# Altium PCB PCB1.PcbDoc (part 1 of 2) (continued)
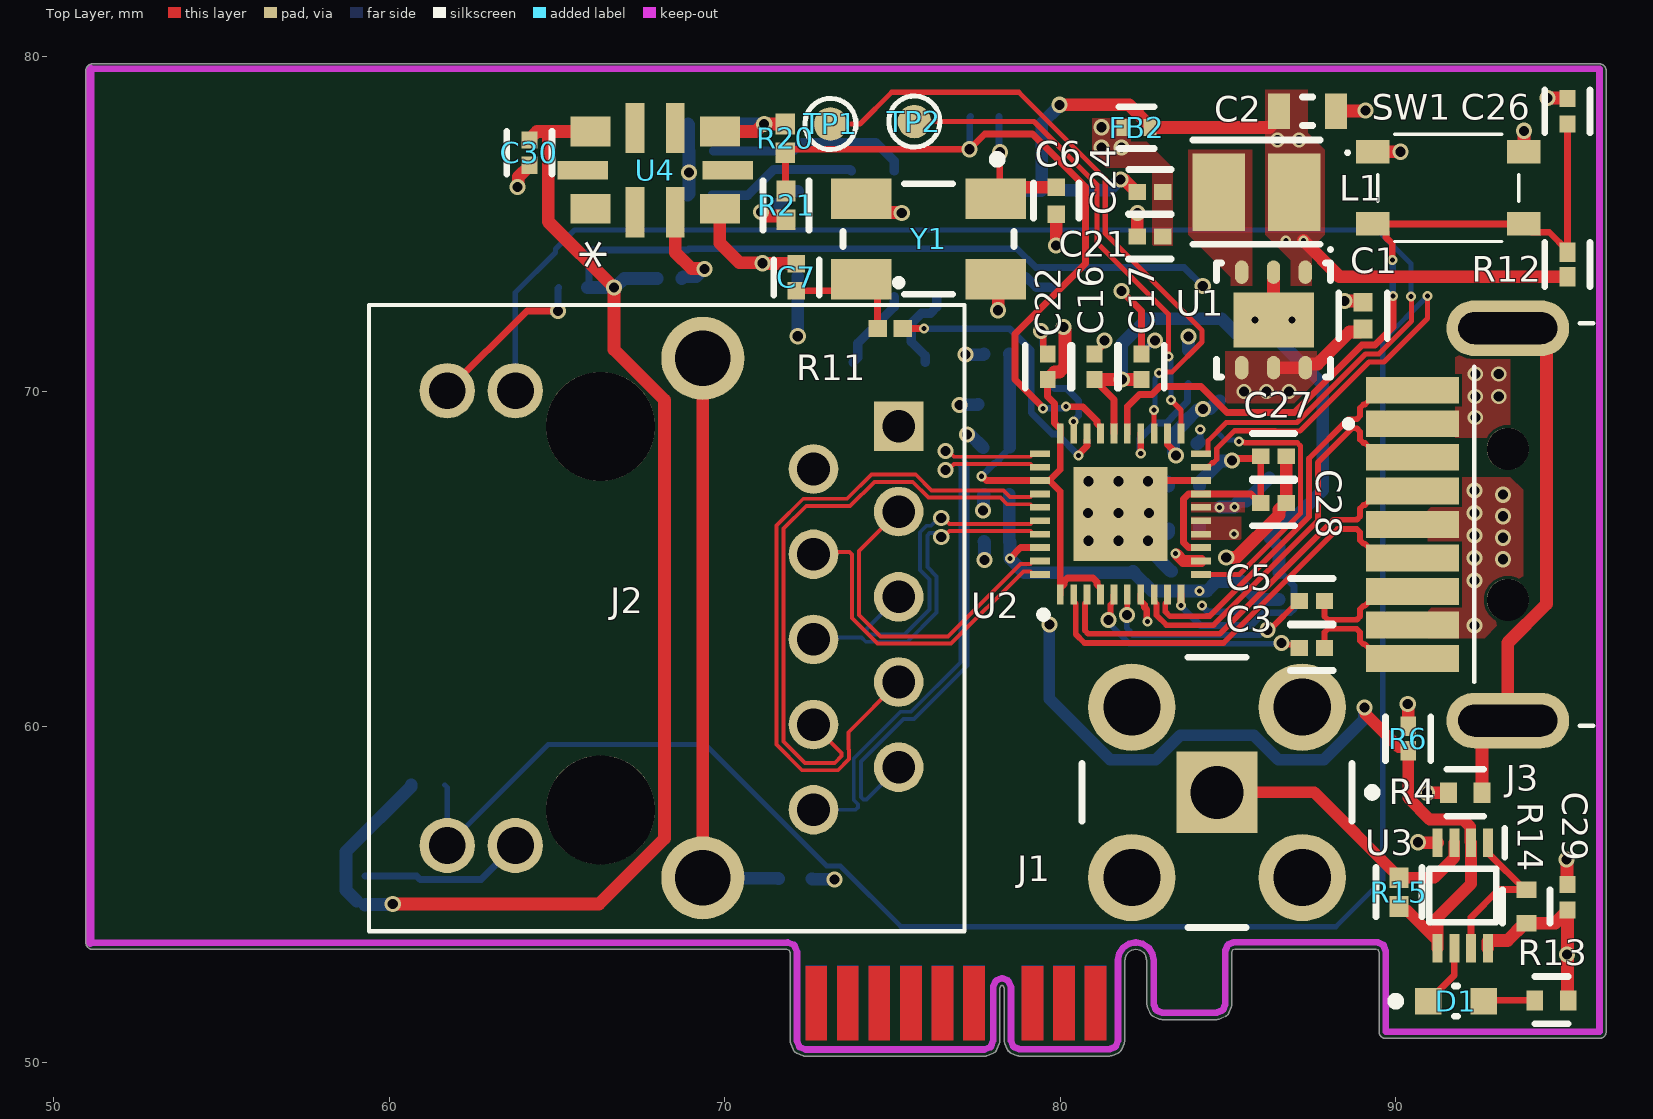
[diagram p0: Top Layer view]
## Part data (continued)
C3 C4 C5 C9 C11 C12 C13 C14 C15 C16 C17 C20 C21 C22 C23 C24 C25 C26 C27 C28 C29 C30: library part CMP-13271-002758-1, "Cap Ceramic 100nF 10V X7R ±10% SMD 0402 +125°C Paper T/R", Case Code (Imperial)=0402, Case Code (Metric)=1005, Dielectric=X7R, Dielectric Material=Ceramic, Manufacturer=KEMET, Manufacturer Part Number=C0402C104K4RAC-TU, Max Operating Temperature=125°C, Min Operating Temperature=-55°C, Package Quantity=50000, Supplier Part Number=399-C0402C104K4RAC7867CT-ND, Tolerance=10%, Voltage=16V, Voltage Rating=10V, Capacitance=100nF, Case/Package=0402, Category="Ceramic Capacitors", Depth=0.5mm, Dissipation Factor=3.5%, Height=0.5mm, Length=1mm, Mount="Surface Mount", Packaging="Tape and Reel", Pins=2, Pricing="1=0.1, 10=0.032, 50=0.0182, 100=0.0141, 500=0.0106, 1000=0.00833, 2500=0.00758, 5000=0.00697 (USD)", Radiation Hardening=No, Reach SVHC Compliant=No, RoHS=Yes, Series=C, Stock=3965396, Supplier=Digikey, Termination=SMD/SMT, Thickness=0.022inch, Voltage Rating (DC)=10V, Width=0.02inch
C6 C7 C31: library part CMP-03020-019954-1, "CAP CER 15PF 100V C0G/NP0 0402", Capacitance="15 pF", Manufacturer=KEMET, Manufacturer Part Number=CBR04C150F1GAC, Package=CBR04C, Temperature="-55°C to +125°C", Temperature Characteristic=C0G, Temperature Coefficient=30ppm/°C, Temperature Range High=+125°C, Temperature Range Low=-55°C, Tolerance=0.01, Voltage Rating="100 V", Automotive=No, Category=Cap, ComponentLink2Description=Datasheet, ComponentLink2URL=https://content.kemet.com/datasheets/KEM_C1030_CBR_SMD.pdf, Device Class L1="Passive Components", Device Class L2=Capacitors, Device Class L3="Ceramic Capacitors", Digikey Description="CAP CER 15PF 100V C0G/NP0 0402", Height=0.55mm, Ipc Land Pattern Name=CAPC10050X50, Lead Free=Yes, Material=Ceramic, Mouser Description="Multilayer Ceramic Capacitors MLCC - SMD/SMT 100volts 15pF C0G 0402 1% Tol RF", Octopart=https://octopart.com/cbr04c150f1gac-kemet-30609229, RoHS=TRUE
C8 C10 C19: library part CMP-13271-000002-1, "CAP CER 10UF 10V X5R 0402", Manufacturer=Samsung, Manufacturer Part Number=CL05A106MP5NUNC, Temperature="-55°C to +85°C", Temperature Characteristic=X5R, Temperature Coefficient=15%, Temperature Range High=+85°C, Temperature Range Low=-55°C, Tolerance=20%, Voltage Rating=10V, Automotive=No, Capacitance=10uF, Category=Cap, ComponentLink2Description=Datasheet, ComponentLink2URL=http://www.samsungsem.com/kr/support/product-search/mlcc/__icsFiles/afieldfile/2019/05/10/19-CL05A106MP5NUNC.pdf, Device Class L1="Passive Components", Device Class L2=Capacitors, Device Class L3="Ceramic Capacitors", Digikey Description="CAP CER 10UF 10V X5R 0402", Height=0.7mm, Ipc Land Pattern Name=CAPC10050X50, Lead Free=Yes, Material=Ceramic, Octopart=https://octopart.com/cl05a106mp5nunc-samsung-22457395, Package=CL05A106MP5NUNC, RoHS=TRUE
D1: library part CMP-44529-000024-1, "LED GREEN CLEAR CHIP SMD", Case Code (Imperial)=0603, Case Code (Metric)=1608, Color=Green, Forward Current=20mA, Forward Voltage=3.3V, Lens Color=Colorless, Manufacturer=Kingbright, Max Operating Temperature=85°C, Min Operating Temperature=-40°C, Package Quantity=1, Supplier Part Number=C5554158, Case/Package=0603, Category=LEDs, ComponentLink1Description=https://datasheet.ciiva.com/16422/apt1608zgck-262051-16422477.pdf?src-supplier=Mouser, ComponentLink1URL=https://datasheet.ciiva.com/16422/apt1608zgck-262051-16422477.pdf?src-supplier=Mouser, ComponentLink2Description=https://datasheet.ciiva.com/26292/apt1608zgck-26292289.pdf?src-supplier=Digikey, ComponentLink2URL=https://datasheet.ciiva.com/26292/apt1608zgck-26292289.pdf?src-supplier=Digikey, ComponentLink3Description=https://datasheet.ciiva.com/29562/apt1608zgck-29562277.pdf?src-supplier=Digikey, ComponentLink3URL=https://datasheet.ciiva.com/29562/apt1608zgck-29562277.pdf?src-supplier=Digikey, Dominant Wavelength=525nm, Height=0.75mm, Illumination Color=Green, Lead Free="Lead Free", Length=1.6mm, Lens Transparency=Clear, Luminous Intensity=350mcd, Manufacturer Part Number=APT1608ZGCK, Mount="Surface Mount", Mounting Technology="Surface Mount", Packaging="Tape and Reel", Pricing="5=0.3043, 50=0.2442, 150=0.2184, 500=0.1863, 2000=0.1719, 4000=0.1633 (USD)", RoHS=Yes, RoHS Compliant=Yes, Series=HELI2, Stock=1770, Supplier=LCSC, Test Current=20mA, Viewing Angle=120°, Width=0.8mm
FB1 FB2: library part CMP-0686-00284-4, "Chip Ferrite Bead, 0402, 80Ω @ 100MHz, 0.07Ω, 25%, 1.5A", Case Code (Imperial)=0402, Case Code (Metric)=1005, Current Rating=1.5A, DC Resistance (DCR)=70mR, Manufacturer=Murata, Max Operating Temperature=125°C, Min Operating Temperature=-55°C, Package Quantity=1, Supplier Part Number=490-5202-1-ND, Test Frequency=100MHz, Tolerance=25%, Case/Package=0402, Category="Ferrite Beads and Chips", ComponentLink1Description=https://datasheet.ciiva.com/41449/001172208-da-01-en-drossel-0402-80r-1-0x0-5mm-10000st-41449497.pdf?src-supplier=Conrad, ComponentLink1URL=https://datasheet.ciiva.com/41449/001172208-da-01-en-drossel-0402-80r-1-0x0-5mm-10000st-41449497.pdf?src-supplier=Conrad, ComponentLink2Description=https://datasheet.ciiva.com/1012/l0110e-1012441.pdf?src-supplier=Digikey, ComponentLink2URL=https://datasheet.ciiva.com/1012/l0110e-1012441.pdf?src-supplier=Digikey, ComponentLink3Description=https://datasheet.ciiva.com/1012/l0110e-1012440.pdf?src-supplier=Digikey, ComponentLink3URL=https://datasheet.ciiva.com/1012/l0110e-1012440.pdf?src-supplier=Digikey, ComponentLink4Description=https://datasheet.ciiva.com/1012/l0110e-1012442.pdf?src-supplier=Digikey, ComponentLink4URL=https://datasheet.ciiva.com/1012/l0110e-1012442.pdf?src-supplier=Digikey, ComponentLink5Description=https://datasheet.ciiva.com/16420/l0110s0100blm15pgblm15pd-16420757.pdf?src-supplier=Future+Electronics, ComponentLink5URL=https://datasheet.ciiva.com/16420/l0110s0100blm15pgblm15pd-16420757.pdf?src-supplier=Future+Electronics, DC Resistance-Max=70mR, Depth=0.5mm, Height=0.5mm, Impedance=80R, Lead Free="Lead Free", Length=1mm, Manufacturer Part Number=BLM15PD800SN1D, Material=Ferrite, Max Current Rating=1.5A, Max DC Current=1.5A, Number of Circuits=1, Number of Lines=1, Number of Pins=2, Packaging="Tape and Reel", Pins=2, Pricing="1=0.1, 10=0.068, 25=0.0616, 50=0.0556, 100=0.0408, 250=0.02968, 500=0.0272, 1000=0.02348, 5000=0.01854 (USD)", REACH SVHC="No SVHC", Reach SVHC Compliant=No, RoHS=Yes, RoHS Compliant=Yes, Series=BLM15PD, Stock=94761, Supplier=Digikey, Termination=SMD/SMT, Width=0.5mm
J1: library part CMP-09588-000003-1, "CONN SMA JACK STR 50 OHM PCB", Case/Package=SMA, Clock Frequency=18GHz, Manufacturer="Bel Cinch", Max Operating Temperature=165°C, Min Operating Temperature=-65°C, Operating Frequency="0 to 18 GHz", Package Quantity=5, Supplier Part Number=J500-ND, Voltage Rating=335V, Body Plating=Gold, Category="RF / Coaxial Connectors", ComponentLink1Description=https://datasheet.ciiva.com/643/dr-1420701206-643288.pdf?src-supplier=Digikey, ComponentLink1URL=https://datasheet.ciiva.com/643/dr-1420701206-643288.pdf?src-supplier=Digikey, ComponentLink2Description=https://datasheet.ciiva.com/23769/pi-1420701201-23769366.pdf?src-supplier=Newark, ComponentLink2URL=https://datasheet.ciiva.com/23769/pi-1420701201-23769366.pdf?src-supplier=Newark, ComponentLink3Description=https://datasheet.ciiva.com/3131/pi-142-0701-201-3131251.pdf?src-supplier=Avnet, ComponentLink3URL=https://datasheet.ciiva.com/3131/pi-142-0701-201-3131251.pdf?src-supplier=Avnet, ComponentLink4Description=https://datasheet.ciiva.com/16776/142-0701-201-16776554.pdf?src-supplier=Future+Electronics, ComponentLink4URL=https://datasheet.ciiva.com/16776/142-0701-201-16776554.pdf?src-supplier=Future+Electronics, ComponentLink5Description=https://datasheet.ciiva.com/30080/pi-142-0701-201-30080563.pdf?src-supplier=Onlinecomponents.com, ComponentLink5URL=https://datasheet.ciiva.com/30080/pi-142-0701-201-30080563.pdf?src-supplier=Onlinecomponents.com, Connector Type=SMA, Contact Material=Copper, Contact Plating=Gold, Fastening Type=Threaded, Frequency=18GHz, Gender=Male, Impedance=50R, Manufacturer Part Number=142-0701-201, Max Frequency=18GHz, Mount="Through Hole", Mounting Technology="Through Hole", Orientation=Straight, Packaging=Bulk, Pricing="1=4.03, 10=3.663, 25=3.4692, 50=3.3884, 100=3.2271, 250=2.82372, 500=2.74304, 1000=2.33966, 2500=2.1783 (USD)", Radiation Hardening=No, Reach SVHC Compliant=Unknown, RoHS=Yes, RoHS Compliant=Yes, Series=SMA, Stock=9658, Supplier=Digikey, Termination=Solder
J2: library part CONN_2250015-2, "Modular Connectors / Ethernet Connectors 1X1 MAG45 GIG 7G140ET TAB W/ LEDS", Color=Green,Yellow, Manufacturer=Bel, Max Operating Temperature=85°C, Min Operating Temperature=-40°C, Package=None, Supplier Part Number=530-2250015-2, Availability=Warning, Category="Modular / Ethernet Connectors", Check_prices=https://www.snapeda.com/parts/2250015-2/TRP%20Connector/view-part/4423750/?ref=eda, ComponentLink1Description=http://belfuse.com/resources/brochures/magneticsolutions/br-mag-magjack-icm.pdf?src-supplier=Digikey, ComponentLink1URL=http://belfuse.com/resources/brochures/magneticsolutions/br-mag-magjack-icm.pdf?src-supplier=Digikey, ComponentLink2Description=https://datasheet.octopart.com/2250015-2-Bel-Fuse-datasheet-137332709.pdf?src-supplier=Sager+Electronics, ComponentLink2URL=https://datasheet.octopart.com/2250015-2-Bel-Fuse-datasheet-137332709.pdf?src-supplier=Sager+Electronics, Connector Type=RJ45, Contact Material=Bronze, Contact Plating=Gold, Direction=Up, Housing Material=Thermoplastic, Manufacturer Part Number=2250015-2, MF="TRP Connector", Mounting Technology="Through Hole", MP=2250015-2, Number of Cores per Jack=8, Number of Ports=1, Number of Rows=1, Packaging=Tray, Price=None, Pricing="1=10.04, 10=9.04, 50=7.55, 100=7.41, 1000=6.08, 10000=5.8 (USD)", Purchase-URL=https://pricing.snapeda.com/search/part/2250015-2/?ref=eda, RoHS=Yes, RoHS Compliant=Yes, Series=MagJack®, Shielding=Shielded, SnapEDA_Link=https://www.snapeda.com/parts/2250015-2/TRP%20Connector/view-part/4423750/?ref=snap, Stock=1265, Supplier=Mouser, Termination=Solder
J3: library part CONN_GSB316441CEU, "Conn USB 3.0 Type A PL 9 POS Solder RA SMD 9 Terminal 1 Port", Current Rating=1.8A, Manufacturer="Amphenol Commercial", Package=None, Package Quantity=1, Supplier Part Number=GSB316441CEUCT-ND, Category="USB Connectors", Check_prices=https://www.snapeda.com/parts/GSB316441CEU/Amphenol/view-part/?ref=eda, ComponentLink1Description=https://datasheet.ciiva.com/10945/gsb316441ceu-10945197.pdf?src-supplier=Avnet, ComponentLink1URL=https://datasheet.ciiva.com/10945/gsb316441ceu-10945197.pdf?src-supplier=Avnet, Connector Type=USB, Contact Material="Copper Alloy", Contact Plating=Gold, Manufacturer Part Number=GSB316441CEU, MF=Amphenol, Mounting Technology="Surface Mount,Horizontal", MP=GSB316441CEU, Number of Contacts=9, Orientation="Right Angle", Packaging="Tape and Reel", Pricing="1=2.04, 10=1.775, 25=1.6996, 50=1.6618, 100=1.5863, 250=1.43524 (USD)", Radiation Hardening=No, RoHS=Yes, RoHS Compliant=Yes, Series=GSB3, SnapEDA_Link=https://www.snapeda.com/parts/GSB316441CEU/Amphenol/view-part/?ref=snap, Stock=13312, Supplier=Digikey, Supplier 1=Digikey, Supplier Part Number 1=GSB316441CEUCT-ND, Termination=SMD/SMT
L1: library part CMP-06042-016211-1, "Multilayer Type Inductor for Power Lines, 1008 (2520), 3.3μH, 20%, 0.125Ω, 1.2A", Case Code (Imperial)=1008, Case Code (Metric)=2520, Current Rating=1.2A, DC Resistance (DCR)=125mR, Inductance=3.3uH, Inductance Tolerance=20%, Manufacturer=Murata, Manufacturer Part Number=LQM2HPN3R3MG0L, Max Operating Temperature=125°C, Min Operating Temperature=-55°C, Package Quantity=3000, Self Resonant Frequency=30MHz, Supplier Part Number=490-5115-1-ND, Test Frequency=1MHz, Case/Package=1008, Category="Fixed Inductors", ComponentLink1Description=https://datasheet.ciiva.com/30490/0900766b812561d9-30490184.pdf?src-supplier=Rs, ComponentLink1URL=https://datasheet.ciiva.com/30490/0900766b812561d9-30490184.pdf?src-supplier=Rs, ComponentLink2Description=https://datasheet.ciiva.com/1042/l0075s0104lqm2hp-g0-1042940.pdf?src-supplier=Digikey, ComponentLink2URL=https://datasheet.ciiva.com/1042/l0075s0104lqm2hp-g0-1042940.pdf?src-supplier=Digikey, ComponentLink3Description=https://datasheet.ciiva.com/1042/l0075s0104lqm2hp-g0-1042941.pdf?src-supplier=Digikey, ComponentLink3URL=https://datasheet.ciiva.com/1042/l0075s0104lqm2hp-g0-1042941.pdf?src-supplier=Digikey, ComponentLink4Description=https://datasheet.ciiva.com/1042/l0075s0104lqm2hp-g0-1042942.pdf?src-supplier=Digikey, ComponentLink4URL=https://datasheet.ciiva.com/1042/l0075s0104lqm2hp-g0-1042942.pdf?src-supplier=Digikey, ComponentLink5Description=https://datasheet.ciiva.com/8509/l0075s0104lqm2hp-g0-8509087.pdf?src-supplier=Avnet, ComponentLink5URL=https://datasheet.ciiva.com/8509/l0075s0104lqm2hp-g0-8509087.pdf?src-supplier=Avnet, Core Material=Ferrite, DC Current=1.2A, Depth=2.2mm, Height=0.9mm, Height - Seated (Max)=0.039inch, Lead Free="Lead Free", Length=2.5mm, Max DC Current=1.2A, Military Standard=Not, Mount="Surface Mount", Mounting Technology="Surface Mount", Packaging="Tape and Reel", Pricing="1=0.21, 10=0.171, 25=0.1576, 50=0.1444, 100=0.1274, 250=0.12344, 500=0.11032, 1000=0.0893 (USD)", Radiation Hardening=No, REACH SVHC="No SVHC", Reach SVHC Compliant=No, RoHS=Yes, RoHS Compliant=Yes, Series=LQM2HP_G0, Shielding=Shielded, Stock=32510, Supplier=Digikey, Termination=SMD/SMT, Tolerance=20%, Width=2mm
L2: library part CMP-08253-000395-1, "Shielded Multilayer Inductor 2.2uH ±20% 800mA 156mΩ SMD 0805", Case Code (Imperial)=0805, Case Code (Metric)=2012, Current Rating=800mA, DC Resistance (DCR)=156mR, Inductance=2.2uH, Manufacturer=TDK, Manufacturer Part Number=MLZ2012N2R2LT000, Max Operating Temperature=125°C, Min Operating Temperature=-55°C, Package Quantity=1, Saturation Current=170mA, Self Resonant Frequency=120MHz, Supplier Part Number=445-6758-1-ND, Test Frequency=2MHz, Tolerance=20%, Case/Package=0805, Category="Fixed Inductors", ComponentLink1Description=https://datasheet.ciiva.com/29698/inductor-commercial-decoupling-mlz-en-29698919.pdf?src-supplier=Digikey, ComponentLink1URL=https://datasheet.ciiva.com/29698/inductor-commercial-decoupling-mlz-en-29698919.pdf?src-supplier=Digikey, ComponentLink2Description=https://datasheet.ciiva.com/29698/inductor-commercial-decoupling-mlz-en-29698920.pdf?src-supplier=Digikey, ComponentLink2URL=https://datasheet.ciiva.com/29698/inductor-commercial-decoupling-mlz-en-29698920.pdf?src-supplier=Digikey, ComponentLink3Description=https://datasheet.ciiva.com/29698/inductor-commercial-decoupling-mlz-en-29698918.pdf?src-supplier=Digikey, ComponentLink3URL=https://datasheet.ciiva.com/29698/inductor-commercial-decoupling-mlz-en-29698918.pdf?src-supplier=Digikey, Core Material=Ferrite, Height - Seated (Max)=0.041inch, Length=0.079inch, Mount="Surface Mount", Mounting Technology="Surface Mount", Packaging="Tape and Reel", Pricing="1=0.12, 10=0.095, 25=0.0876, 50=0.0772, 100=0.0676, 250=0.06436, 500=0.06052, 1000=0.04635 (USD)", RoHS=Yes, RoHS Compliant=Yes, Series=MLZ, Shielding=Shielded, Stock=32581, Supplier=Digikey, Width=0.049inch
R1 R2 R3 R5 R13 R14: library part CMP-2002-02814-2, "RES SMD 4.7K OHM 0.1% 1/16W 0402", Manufacturer=Yageo, Manufacturer Part Number=RT0402BRD074K7L, Package=RT0402, Power Rating=0.063W, Resistance=4.7KΩ, Temperature="-55°C to +155°C", Temperature Coefficient="25 ppm/°C", Temperature Range High=+155°C, Temperature Range Low=-55°C, Tolerance=0.001, Voltage Rating=50V, Automotive=No, Category=Res, ComponentLink2Description=Datasheet, ComponentLink2URL=http://www.yageo.com/documents/recent/PYu-RT_1-to-0.01_RoHS_L_9.pdf, Composition="Thin Film", Device Class L1="Passive Components", Device Class L2=Resistors, Device Class L3="Chip SMD Resistors", Digikey Description="RES SMD 4.7K OHM 0.1% 1/16W 0402", Footprint Url=http://www.yageo.com/exep/pages/download/literatures/PYu-R_Mount_10.pdf, Height=0.35mm, Ipc Land Pattern Name=RESC10050X30, Lead Free=Yes, Mouser Description="Thin Film Resistors 1/16W 4.7K ohm .1% 25ppm", Octopart=https://octopart.com/rt0402brd074k7l-yageo-1415343, RoHS=TRUE, Series=RT
R4 R10: library part CMP-26527-001513-1, "1MΩ ±5% 0.063W 0402 Thick Film Chip Resistor AEC-Q200 compliant", Case Code (Imperial)=0402, Case Code (Metric)=1005, Manufacturer="Stackpole Electronics", Manufacturer Part Number=RMCF0402JT1M00, Max Operating Temperature=155°C, Max Power Dissipation=63mW, Min Operating Temperature=-55°C, Resistance=1MR, Resistor Type="Thick Film", Supplier Part Number=RMCF0402JT1M00CT-ND, Temperature Coefficient=100ppm/°C, Tolerance=5%, Working Voltage=50V, Case/Package=0402, Category="Chip SMD Resistors", ComponentLink1Description=https://datasheet.ciiva.com/26946/getdatasheetpartid-791049-26946706.pdf?src-supplier=Verical, ComponentLink1URL=https://datasheet.ciiva.com/26946/getdatasheetpartid-791049-26946706.pdf?src-supplier=Verical, Construction=Rectangular, Contact Plating=Tin, Depth=0.5mm, Features="Automotive AEC-Q200", Height=0.016inch, Lead Free="Lead Free", Length=0.039inch, Military Standard=Not, Mount="Surface Mount", Mounting Technology="Surface Mount", Number of Terminations=2, Packaging="Tape and Reel", Power Rating=63mW, Pricing="1=0.1, 10=0.016, 50=0.009, 100=0.0072, 500=0.00462, 1000=0.00389, 5000=0.00269 (USD)", Radiation Hardening=No, RoHS=Yes, RoHS Compliant=Yes, Series=RMCF, Stock=22890, Supplier=Digikey, Technology="THICK FILM", Width=0.02inch
R6 R12 R16 R17 R18 R19: library part CMP-26527-000128-1, "10kΩ ±1% 0.063W 0402 Thick Film Chip Resistor AEC-Q200 compliant", Case Code (Imperial)=0402, Case Code (Metric)=1005, Manufacturer="Stackpole Electronics", Manufacturer Part Number=RMCF0402FT10K0, Max Operating Temperature=155°C, Max Power Dissipation=63mW, Min Operating Temperature=-55°C, Power Rating=62.5mW, Ratings=AEC-Q200, Resistance=10kR, Resistor Type="Thick Film", Supplier Part Number=RMCF0402FT10K0CT-ND, Temperature Coefficient=100ppm/°C, Tolerance=1%, Case/Package=0402, Category="Chip SMD Resistors", ComponentLink1Description=https://datasheet.ciiva.com/24341/sei-rmcp-24341800.pdf?src-supplier=Onlinecomponents.com, ComponentLink1URL=https://datasheet.ciiva.com/24341/sei-rmcp-24341800.pdf?src-supplier=Onlinecomponents.com, Construction=Rectangular, Contact Plating=Tin, Depth=0.5mm, Features="Automotive AEC-Q200", Height=0.016inch, Lead Free="Lead Free", Length=1mm, Military Standard=Not, Mount="Surface Mount", Mounting Technology="Surface Mount", Number of Terminations=2, Packaging="Tape and Reel", Pricing="1=0.1, 10=0.021, 50=0.0116, 100=0.0093, 500=0.00594, 1000=0.005, 5000=0.00345 (USD)", Radiation Hardening=No, RoHS=Yes, RoHS Compliant=Yes, Series=RMCF, Size Code=0402, Stock=16567212, Supplier=Digikey, Width=0.02inch
R7 R9: library part CMP-13261-004965-1, "Res Thick Film 0402 330Ω 1% 0.063W ±100ppm/°C Molded SMD T/R", Case Code (Imperial)=0402, Case Code (Metric)=1005, Manufacturer=Samsung, Manufacturer Part Number=RC1005F331CS, Max Operating Temperature=155°C, Max Power Dissipation=63mW, Min Operating Temperature=-55°C, Package Quantity=1, Resistance=330R, Supplier Part Number=1276-3976-1-ND, Temperature Coefficient=100ppm/°C, Tolerance=1%, Case/Package=0402, Category="Chip SMD Resistors", ComponentLink1Description=https://datasheet.ciiva.com/16481/rc-series-16481001.pdf?src-supplier=Future+Electronics, ComponentLink1URL=https://datasheet.ciiva.com/16481/rc-series-16481001.pdf?src-supplier=Future+Electronics, Composition="Thick Film", Contact Plating=Tin, Depth=0.5mm, Features="Moisture Resistant", Height=0.016inch, Length=0.039inch, Military Standard=Not, Number of Terminations=2, Packaging="Tape and Reel", Power Rating=63mW, Pricing="1=0.1, 10=0.034, 50=0.0224, 100=0.0188, 500=0.01312, 1000=0.01142, 5000=0.0085 (USD)", Radiation Hardening=No, RoHS=Yes, RoHS Compliant=Yes, Series=RC, Stock=6645, Supplier=Digikey, Width=0.02inch
R8: library part CMP-2002-03028-2, "RES SMD 24K OHM 1% 1/16W 0402", Manufacturer=Yageo, Manufacturer Part Number=RT0402FRE0724KL, Package=RT0402, Power Rating=0.063W, Resistance=24KΩ, Temperature="-55°C to +155°C", Temperature Coefficient="50 ppm/°C", Temperature Range High=+155°C, Temperature Range Low=-55°C, Tolerance=0.01, Voltage Rating=50V, Automotive=No, Category=Res, ComponentLink2Description=Datasheet, ComponentLink2URL=http://www.yageo.com/documents/recent/PYu-RT_1-to-0.01_RoHS_L_9.pdf, Composition="Thin Film", Device Class L1="Passive Components", Device Class L2=Resistors, Device Class L3="Chip SMD Resistors", Digikey Description="RES SMD 24K OHM 1% 1/16W 0402", Footprint Url=http://www.yageo.com/exep/pages/download/literatures/PYu-R_Mount_10.pdf, Height=0.35mm, Ipc Land Pattern Name=RESC10050X30, Lead Free=Yes, Octopart=https://octopart.com/rt0402fre0724kl-yageo-1380387, RoHS=TRUE, Series=RT
R11: library part CMP-2002-03738-1, Case Code (Imperial)=0402, Case Code (Metric)=1005, Manufacturer="KOA Speer", Manufacturer Part Number=RK73B1ETTP201J, Max Operating Temperature=155°C, Min Operating Temperature=-55°C, Package Quantity=10000, Power Rating=63mW, Supplier Part Number=2019-RK73B1ETTP201JCT-ND, Temperature Coefficient=200ppm/°C, Tolerance=5%, Voltage Rating=50V, Case/Package=0402, Category="Chip SMD Resistors", ComponentLink1Description=https://datasheet.ciiva.com/27054/1876901-27054398.pdf?src-supplier=Jameco, ComponentLink1URL=https://datasheet.ciiva.com/27054/1876901-27054398.pdf?src-supplier=Jameco, ComponentLink2Description=https://datasheet.ciiva.com/15202/getdatasheetpartid-170798-15202604.pdf?src-supplier=Verical, ComponentLink2URL=https://datasheet.ciiva.com/15202/getdatasheetpartid-170798-15202604.pdf?src-supplier=Verical, ComponentLink3Description=https://datasheet.ciiva.com/5555/rk73b-5555653.pdf?src-supplier=Mouser, ComponentLink3URL=https://datasheet.ciiva.com/5555/rk73b-5555653.pdf?src-supplier=Mouser, Construction=Rectangular, Depth=0.5mm, Height=0.35mm, Lead Free="Lead Free", Length=1mm, Military Standard=MIL-R-55342F, Mounting Technology="Surface Mount", Packaging="Tape and Reel", Part Number=RK73B1ETTP201J, Pricing="1=0.1, 10=0.017, 50=0.0104, 100=0.0087, 500=0.0058, 1000=0.00494, 5000=0.00355 (USD)", RoHS=Yes, RoHS Compliant=Yes, Series=RK73B, Stock=533194, Supplier=Digikey, Technology="THICK FILM", Termination=SMD/SMT, Voltage Rating (DC)=50V, Width=0.5mm
R15 R20 R21 R22: library part CMP-2002-05495-2, "Thick Film Chip Resistors 0402 0Ω 0.0625W 5%", Case Code (Imperial)=0402, Case Code (Metric)=1005, Manufacturer=Bourns, Manufacturer Part Number=CR0402-J/-000GLF, Manufacturer Series=CR0402, Max Operating Temperature=125°C, Max Power Dissipation=63mW, Min Operating Temperature=-55°C, Package Quantity=10000, Package Shape=Rectangular, Power Rating=62.5mW, Resistance=0mR, Resistance Tolerance=5%, Resistor Type="Thick Film", Supplier Part Number=C203078, Temperature Coefficient=500ppm/°C, Voltage Rating=50V, Case/Package=0402, Category="Chip SMD Resistors", ComponentLink1Description=https://datasheet.ciiva.com/11811/0900766b80fcdb41-11811721.pdf?src-supplier=Rs, ComponentLink1URL=https://datasheet.ciiva.com/11811/0900766b80fcdb41-11811721.pdf?src-supplier=Rs, ComponentLink2Description=https://datasheet.ciiva.com/19466/774727-19466474.pdf?src-supplier=Jameco, ComponentLink2URL=https://datasheet.ciiva.com/19466/774727-19466474.pdf?src-supplier=Jameco, ComponentLink3Description=https://datasheet.ciiva.com/7986/cr0402-7986154.pdf?src-supplier=Element14, ComponentLink3URL=https://datasheet.ciiva.com/7986/cr0402-7986154.pdf?src-supplier=Element14, ComponentLink4Description=https://datasheet.ciiva.com/9116/cr0402-9116774.pdf?src-supplier=Avnet, ComponentLink4URL=https://datasheet.ciiva.com/9116/cr0402-9116774.pdf?src-supplier=Avnet, ComponentLink5Description=https://datasheet.ciiva.com/6549/cr0402-6549983.pdf?src-supplier=Digikey, ComponentLink5URL=https://datasheet.ciiva.com/6549/cr0402-6549983.pdf?src-supplier=Digikey, ComponentLink6Description=https://datasheet.ciiva.com/30262/cr0402-30262110.pdf?src-supplier=Onlinecomponents.com, ComponentLink6URL=https://datasheet.ciiva.com/30262/cr0402-30262110.pdf?src-supplier=Onlinecomponents.com, Composition="Thick Film", Contact Plating=Tin, Depth=0.5mm, Height=0.35mm, Length=1mm, Mount="Surface Mount", Mounting Technology="Surface Mount", Number of Pins=2, Number of Terminations=2, Packaging="Tape and Reel", Pins=2NUMBER, Pricing="100=0.004, 1000=0.0033, 3000=0.0029, 10000=0.0026, 50000=0.0024, 100000=0.0023 (USD)", Radiation Hardening=No, REACH SVHC="No SVHC", Reach SVHC Compliant=No, RoHS=Yes, RoHS Compliant=Yes, Series=CR0402, Stock=2300, Supplier=LCSC, Technology="THICK FILM", Terminal Finish=Tin, Termination=SMD/SMT, Thickness=356um, Tolerance=5%, Voltage Rating (DC)=50V, Width=0.5mm
SW1: "Switch Tactile N.O. SPST Button J-Bend 0.05A 12VDC 3.92N SMD T/R", Manufacturer="ITT C&K", Manufacturer Part Number=PTS815SJG250SMTRLFS, Max Operating Temperature=70°C, Min Operating Temperature=-20°C, Operating Force=400gf, Package=None, Ratings=IP40, Supplier Part Number=CKN12217-1-ND, Category="Tactile Switches", Check_prices=https://www.snapeda.com/parts/PTS815%20SJG%20250%20SMTR%20LFS/C%2526K/view-part/?ref=eda, ComponentLink1Description=http://datasheet.octopart.com/PTS815SJG250SMTRLFS-C%26K-Components-datasheet-130077068.pdf?src-supplier=Future+Electronics, ComponentLink1URL=http://datasheet.octopart.com/PTS815SJG250SMTRLFS-C%26K-Components-datasheet-130077068.pdf?src-supplier=Future+Electronics, ComponentLink2Description=http://datasheet.octopart.com/PTS815SJG250SMTRLFS-C%26K-Components-datasheet-130077068.pdf?src-supplier=Farnell, ComponentLink2URL=http://datasheet.octopart.com/PTS815SJG250SMTRLFS-C%26K-Components-datasheet-130077068.pdf?src-supplier=Farnell, ComponentLink3Description=http://datasheet.octopart.com/PTS815SJG250SMTRLFS-C%26K-Components-datasheet-130077068.pdf?src-supplier=Arrow+Electronics, ComponentLink3URL=http://datasheet.octopart.com/PTS815SJG250SMTRLFS-C%26K-Components-datasheet-130077068.pdf?src-supplier=Arrow+Electronics, ComponentLink4Description=http://datasheet.octopart.com/PTS815SJG250SMTRLFS-C%26K-Components-datasheet-130077068.pdf?src-supplier=Mouser, ComponentLink4URL=http://datasheet.octopart.com/PTS815SJG250SMTRLFS-C%26K-Components-datasheet-130077068.pdf?src-supplier=Mouser, ComponentLink5Description=http://datasheet.octopart.com/PTS815SJG250SMTRLFS-C%26K-Components-datasheet-130077068.pdf?src-supplier=Newark, ComponentLink5URL=http://datasheet.octopart.com/PTS815SJG250SMTRLFS-C%26K-Components-datasheet-130077068.pdf?src-supplier=Newark, ComponentLink6Description=http://datasheet.octopart.com/PTS815SJG250SMTRLFS-C%26K-Components-datasheet-130077068.pdf?src-supplier=Avnet, ComponentLink6URL=http://datasheet.octopart.com/PTS815SJG250SMTRLFS-C%26K-Components-datasheet-130077068.pdf?src-supplier=Avnet, ComponentLink7Description=http://datasheet.octopart.com/PTS815SJG250SMTRLFS-C%26K-Components-datasheet-130077068.pdf?src-supplier=Allied+Electronics, ComponentLink7URL=http://datasheet.octopart.com/PTS815SJG250SMTRLFS-C%26K-Components-datasheet-130077068.pdf?src-supplier=Allied+Electronics, ComponentLink8Description=http://datasheet.octopart.com/PTS815SJG250SMTRLFS-C%26K-Components-datasheet-130077068.pdf?src-supplier=Digikey, ComponentLink8URL=http://datasheet.octopart.com/PTS815SJG250SMTRLFS-C%26K-Components-datasheet-130077068.pdf?src-supplier=Digikey, ComponentLink9Description=http://datasheet.octopart.com/PTS815SJG250SMTRLFS-C%26K-Components-datasheet-130077068.pdf?src-supplier=Verical, ComponentLink9URL=http://datasheet.octopart.com/PTS815SJG250SMTRLFS-C%26K-Components-datasheet-130077068.pdf?src-supplier=Verical, ComponentLink10Description=http://datasheet.octopart.com/PTS815SJG250SMTRLFS-C%26K-Components-datasheet-130077068.pdf?src-supplier=Onlinecomponents.com, ComponentLink10URL=http://datasheet.octopart.com/PTS815SJG250SMTRLFS-C%26K-Components-datasheet-130077068.pdf?src-supplier=Onlinecomponents.com, ComponentLink11Description=http://datasheet.octopart.com/PTS815SJG250SMTRLFS-C%26K-Components-datasheet-130077068.pdf?src-supplier=LCSC, ComponentLink11URL=http://datasheet.octopart.com/PTS815SJG250SMTRLFS-C%26K-Components-datasheet-130077068.pdf?src-supplier=LCSC, ComponentLink12Description=http://datasheet.octopart.com/PTS815SJG250SMTRLFS-C%26K-Components-datasheet-130077068.pdf?src-supplier=TTI, ComponentLink12URL=http://datasheet.octopart.com/PTS815SJG250SMTRLFS-C%26K-Components-datasheet-130077068.pdf?src-supplier=TTI, ComponentLink13Description=http://datasheet.octopart.com/PTS815SJG250SMTRLFS-C%26K-Components-datasheet-130077068.pdf?src-supplier=Sager+Electronics, ComponentLink13URL=http://datasheet.octopart.com/PTS815SJG250SMTRLFS-C%26K-Components-datasheet-130077068.pdf?src-supplier=Sager+Electronics, ComponentLink14Description=http://datasheet.octopart.com/PTS815SJG250SMTRLFS-C%26K-Components-datasheet-130077068.pdf?src-supplier=Electro+Sonic, ComponentLink14URL=http://datasheet.octopart.com/PTS815SJG250SMTRLFS-C%26K-Components-datasheet-130077068.pdf?src-supplier=Electro+Sonic, ComponentLink15Description=http://datasheet.octopart.com/PTS815SJG250SMTRLFS-C%26K-Components-datasheet-130077068.pdf?src-supplier=NAC+Semi, ComponentLink15URL=http://datasheet.octopart.com/PTS815SJG250SMTRLFS-C%26K-Components-datasheet-130077068.pdf?src-supplier=NAC+Semi, Illumination Type=Non-Illuminated, Mechanical Life=100000Cycles, MF=C&K, Mounting Technology="Surface Mount", MP="PTS815 SJG 250 SMTR LFS", Packaging="Cut Tape", Pricing="1=0.25, 10=0.246, 25=0.2332, 100=0.2113, 250=0.1926, 500=0.17902, 1000=0.15271 (USD)", RoHS=Yes, Series=PTS815, SnapEDA_Link=https://www.snapeda.com/parts/PTS815%20SJG%20250%20SMTR%20LFS/C%2526K/view-part/?ref=snap, Stock=38609, Supplier=Digikey, Switch Function=Off-Mom, Switch Travel=0.2mm, Throw Configuration=SPST
TP1 TP2 TP3 TP4: library part TP_PAD-1MM
U1: library part CMP-0240-00158-1, "Synchronous rectification with inhibit, 1.5 A, 1.5 MHz adjustable, step-down switching regulator, 6-Pin DFN", Case/Package=DFN, Frequency=1.5MHz, Manufacturer=STMicroelectronics, Max Operating Temperature=125°C, Max Output current=1.5A, Max Supply Voltage=6V, Min Input Voltage=2.7V, Min Operating Temperature=-30°C, Output Voltage=3.3V, Package Quantity=1, Quiescent Current=1.5mA, Supplier Part Number=497-6311-1-ND, Accuracy=2%, Category="Voltage Regulators - Switching", ComponentLink1Description="Manufacturer URL", ComponentLink1URL=http://www.st.com, ComponentLink2Description=Datasheet, ComponentLink2URL=http://www.st.com/internet/com/TECHNICAL_RESOURCES/TECHNICAL_LITERATURE/DATASHEET/CD00100211.pdf, ComponentLink3Description=https://datasheet.ciiva.com/15113/getdatasheetpartid-188384-15113793.pdf?src-supplier=Verical, ComponentLink3URL=https://datasheet.ciiva.com/15113/getdatasheetpartid-188384-15113793.pdf?src-supplier=Verical, ComponentLink4Description=https://datasheet.ciiva.com/2029/cd00100211-2029328.pdf?src-supplier=Digikey, ComponentLink4URL=https://datasheet.ciiva.com/2029/cd00100211-2029328.pdf?src-supplier=Digikey, ComponentLink5Description=https://datasheet.ciiva.com/2029/cd00100211-2029329.pdf?src-supplier=Digikey, ComponentLink5URL=https://datasheet.ciiva.com/2029/cd00100211-2029329.pdf?src-supplier=Digikey, ComponentLink6Description=https://datasheet.ciiva.com/2029/cd00100211-2029330.pdf?src-supplier=Digikey, ComponentLink6URL=https://datasheet.ciiva.com/2029/cd00100211-2029330.pdf?src-supplier=Digikey, ComponentLink7Description=https://datasheet.ciiva.com/16489/cd00100211-16489901.pdf?src-supplier=Future+Electronics, ComponentLink7URL=https://datasheet.ciiva.com/16489/cd00100211-16489901.pdf?src-supplier=Future+Electronics, ComponentLink8Description=https://datasheet.ciiva.com/4905/cd00100211-4905371.pdf?src-supplier=Mouser, ComponentLink8URL=https://datasheet.ciiva.com/4905/cd00100211-4905371.pdf?src-supplier=Mouser, DatasheetVersion=May-2009, Efficiency=90%, Height=0.95mm, Lead Free="Lead Free", Length=3.1mm, Manufacturer Part Number=ST1S06PU33R, Mounting Technology="Surface Mount", Number of Outputs=1, Operating Supply Voltage=6V, Output Current=1.5A, Output Type=Fixed,Adjustable, PackageDescription="6-Pin Plastic, Dual LLP, 3 x 3 mm Body, 0.95 mm Pitch, Exposed Pad", PackageReference=DFN6D, PackageVersion=2008, Packaging="Tape and Reel", Pins=6, Polarity=Positive, Pricing="1=1.46, 10=1.306, 25=1.2392, 100=1.0179, 250=0.95156, 500=0.8409, 1000=0.66387 (USD)", Radiation Hardening=No, RoHS=Yes, RoHS Compliant=Yes, Series=-, Stock=5274, Supplier=Digikey, Switching Frequency=1.5MHz, Synchronous Rectifier=Yes, Weight=0.000744oz, Width=3.1mm
U2: library part IC_AX88179B, Manufacturer Part Number=AX88179B
U3: "Integrated Circuit", Manufacturer_Name="ON Semiconductor", Mouser Part Number=512-NC7WV125K8X, Arrow Part Number=NC7WV125K8X, Arrow Price/Stock=https://www.arrow.com/en/products/nc7wv125k8x/on-semiconductor, Datasheet Link=https://www.mouser.com/datasheet/2/308/NC7WV125-1301459.pdf, Height=0.9mm, Manufacturer_Part_Number=NC7WV125K8X, Mouser Price/Stock=https://www.mouser.com/Search/Refine.aspx?Keyword=512-NC7WV125K8X
U4: "No Description Available", Mfr_Name=Epson, Copyright="Copyright (C) 2024 Ultra Librarian. All rights reserved.", Manufacturer_Part_Number="TG5032CGN 40.0000M-CAGHNA0", RefDes=RefDes, Type=DEV
X1: library part XTAL_SIT5501AI-WUG33JT-10.000000, "1 MHz  60 MHz, Elite X Stratum 3E Precision Oscillator", Manufacturer_Name=SiTime, Datasheet Link=https://www.sitime.com/support/resource-library/datasheets/sit5501-datasheet, Geometry.Height=2.2mm, Manufacturer_Part_Number=SIT5501AI-WUG33JT-10.000000
Y1: library part CMP-27762-007871-1, "Crystal 20MHz ±10ppm 10pF SMD-4 5mm x 3.2mm", Case/Package=CSMD, ESR (Equivalent Series Resistance)=50R, Frequency=20MHz, Frequency Stability=10ppm, Load Capacitance=10pF, Manufacturer=Abracon, Max Operating Temperature=60°C, Min Operating Temperature=-10°C, Operating Frequency="20 MHz", Package Quantity=1000, Resistor Type=Ceramic, Supplier Part Number=300-8214-1-ND, Category=Crystals, ComponentLink1Description=https://datasheet.ciiva.com/15116/getdatasheetpartid-719810-15116718.pdf?src-supplier=Verical, ComponentLink1URL=https://datasheet.ciiva.com/15116/getdatasheetpartid-719810-15116718.pdf?src-supplier=Verical, ComponentLink2Description=https://datasheet.ciiva.com/4944/abm3b-39910-4944991.pdf?src-supplier=Mouser, ComponentLink2URL=https://datasheet.ciiva.com/4944/abm3b-39910-4944991.pdf?src-supplier=Mouser, ComponentLink3Description=https://datasheet.ciiva.com/858/abm3b-858647.pdf?src-supplier=Digikey, ComponentLink3URL=https://datasheet.ciiva.com/858/abm3b-858647.pdf?src-supplier=Digikey, ComponentLink4Description=https://datasheet.ciiva.com/858/abm3b-858648.pdf?src-supplier=Digikey, ComponentLink4URL=https://datasheet.ciiva.com/858/abm3b-858648.pdf?src-supplier=Digikey, ComponentLink5Description=https://datasheet.ciiva.com/858/abm3b-858649.pdf?src-supplier=Digikey, ComponentLink5URL=https://datasheet.ciiva.com/858/abm3b-858649.pdf?src-supplier=Digikey, ComponentLink6Description=https://datasheet.ciiva.com/3175/abm3b-3175832.pdf?src-supplier=Avnet, ComponentLink6URL=https://datasheet.ciiva.com/3175/abm3b-3175832.pdf?src-supplier=Avnet, Depth=3.2mm, Frequency Tolerance=10ppm, Height=0.043inch, Lead Free="Lead Free", Length=5mm, Manufacturer Part Number=ABM3B-20.000MHZ-10-1-U-T, Mount="Surface Mount", Mounting Technology="Surface Mount", Number of Pins=4, Packaging="Tape and Reel", Pins=4, Pricing="1=0.92, 10=0.813, 50=0.7602, 100=0.6718, 500=0.63642 (USD)", REACH SVHC="No SVHC", Reach SVHC Compliant=No, RoHS=Yes, RoHS Compliant=Yes, Series=ABM3B, Stock=52539, Supplier=Digikey, Termination=SMD/SMT, Tolerance=10ppm, Width=0.126inch

## Via types
v1: diameter 0.48, hole 0.3, Top Layer to Bottom Layer, tented both sides, 78 vias
v2: diameter 0.3, hole 0.15, Top Layer to Bottom Layer, tented both sides, 28 vias
v3: diameter 0.45, hole 0.3, Top Layer to Bottom Layer, tented both sides, 10 vias
v4: diameter 0.5, hole 0.2, Top Layer to Bottom Layer, 2 vias

## Nets (pads, with @x,y where several pads share a name; then routed paths per layer and width w, separated by ;. In a path a pad name is that pad's centre, name@x,y a point inside that pad or via, vN(x,y) a via of type N, cw(c..) or ccw(c..) an arc to the next point about the centre after c; other vN are vias at no path point)
1PPS: R6.2 R15.2 U2.12 U3.2 U3.5 | length 31.3
  Top Layer w0.349: v2@83.472,65.147 83.672,64.948 U2.12@84.201,64.948 ; v1(89.075,60.575) 89.1,60.55 89.1,60.39 90.089,59.4 90.313,59.4 90.375,59.339 R6.2@90.375,59.284 90.375,57.886 91.022,57.24 92.01,57.24 92.225,57.024 92.225,56.575 U3.2@92.25,56.55 92.25,55.325 91.25,54.325 U3.5@91.25,53.626 ; R15.2@90.1,54.625 90.212,54.513 90.362,54.513 U3.5@91.25,53.626 ; U3.5@91.25,53.4 U3.5@91.25,53.626
  Int2 (PWR) w0.276: v1(79.675,63.05) 79.675,64.438 79.837,64.6 82.873,64.6 v2(83.441,65.168)
  Bottom Layer w0.349: v1(79.675,63.05) 79.675,60.836 81.487,59.024 82.85,59.024 83.576,59.75 85.775,59.75 86.501,59.024 87.863,59.024 89.05,60.211 89.05,60.55 v1(89.075,60.575)
1PPS_BUFF: J1.1 R15.1 U3.3 | length 8.8
  Top Layer w0.349: J1.1@84.675,58.05 87.575,58.05 90.1,55.525 R15.1@90.1,55.504 91.153,55.504 91.75,56.101 U3.3@91.75,56.55
1PPS_LED: D1.1 U3.6 | length 1.9
  Top Layer w0.203: D1.1@90.975,51.825 91.75,52.6 U3.6@91.75,53.4
AVDD11: C10.2 C11.2 C12.2 C13.2 FB1.2 U2.7 U2.38 | length 12.7
  Top Layer w0.203: v2(78.5,65.025) 78.822,65.347 79.4,65.347 U2.38@79.401,65.348 ; U2.7@82.401,63.948 82.401,63.751 82.51,63.643 82.51,63.569 82.581,63.497 82.581,63.16 v2(82.6,63.142)
  Bottom Layer w0.381: C13.2@78.484,66.929 C12.2@78.484,65.532 78.5,65.516 v2(78.5,65.025) 78.928,64.597 81.575,64.597 ; 81.575,64.6 82.124,64.6 C11.2@82.169,64.645 82.215,64.6 82.215,64.578 82.743,64.05 83.419,64.05 83.422,64.053 84.147,64.053 v2(84.15,64.05) ; v2@84.15,64.053 84.372,64.053 84.647,64.328 85.241,64.328 C10.2@85.275,64.363 85.388,64.363 85.422,64.328 85.422,64.25 85.872,63.8 FB1.2@86.525,63.8